# Allegro board SG2042_EVB_V1_1.brd (continued)
## Routing (per net, layer and track width the routed paths; a pad name or vN(x,y) marks a point on that pad's centre or on a via; arc(x,y) is an arc through that point) (continued)
DDR2_DM5_N: length 52.2
  TOP w0.14: U1.BT3 v1(111.97,78.15)
  BOTTOM w0.109: 111.04,77.15 111.06,77.17 111.06,77.25 111.58,77.77 111.58,78.42 111.69,78.53 111.86,78.53 111.97,78.42 v1(111.97,78.15)
  BOTTOM w0.14: 111.04,77.15 110.62,76.73 98.11,76.73 92.08,70.71 80.97,70.71 arc(80.57,70.78) 80.24,71.01 79.89,71.35 arc(79.67,71.5) 79.4,71.56 79.07,71.56 arc(78.8,71.5) 78.57,71.35 78.23,71.01 arc(77.89,70.78) 77.5,70.71 77.17,70.71 arc(76.77,70.78) 76.44,71.01 76.09,71.35 arc(75.87,71.5) 75.6,71.56 74.37,71.56 arc(74.1,71.5) 73.87,71.35 73.53,71.01 arc(73.2,70.79) 72.81,70.71 71.56,70.71 arc(71.17,70.79) 70.83,71.01 70.5,71.35 arc(70.27,71.5) 70,71.56 69.67,71.56 arc(69.4,71.5) 69.17,71.35 68.84,71.01 arc(68.5,70.79) 68.11,70.71 67.17,70.71 arc(67.11,70.71) 67.05,70.72 J3.111
DDR2_DM5_P: length 52.1
  TOP w0.14: U1.BR3 v1(111.97,79.15)
  BOTTOM w0.109: v1(111.97,79.15) 111.97,78.85 111.86,78.74 111.6,78.74 111.37,78.51 111.37,77.86 110.91,77.4 110.82,77.4 110.8,77.38
  BOTTOM w0.14: 110.8,77.38 110.49,77.06 97.97,77.06 91.94,71.04 80.97,71.04 arc(80.7,71.09) 80.47,71.24 80.13,71.59 arc(79.79,71.81) 79.4,71.89 79.07,71.89 arc(78.67,71.81) 78.34,71.59 77.99,71.24 arc(77.77,71.09) 77.5,71.04 77.17,71.04 arc(76.9,71.09) 76.67,71.24 76.33,71.59 arc(75.99,71.81) 75.6,71.89 74.37,71.89 arc(73.97,71.81) 73.64,71.59 73.3,71.25 arc(73.07,71.1) 72.81,71.04 71.56,71.04 arc(71.29,71.1) 71.07,71.25 70.73,71.59 arc(70.4,71.81) 70,71.89 69.67,71.89 arc(69.27,71.81) 68.94,71.59 68.6,71.25 arc(68.38,71.1) 68.11,71.04 67.32,71.04 arc(67.24,71.06) 67.19,71.12 67.15,71.19 arc(67.14,71.32) 67.22,71.42 J3.110
DDR2_DM6_N: length 64.1
  TOP w0.14: U1.BJ8 v1(116.97,85.15)
  ART03 w0.109: v1(116.97,85.15) 116.97,85.1 116.42,84.54 110.8,84.54 110.59,84.32 110.59,81.89 110.24,81.54 109.71,81.54 108.86,80.69 108.53,80.69 108.5,80.67 108.47,80.67
  ART03 w0.145: 108.47,80.67 102.84,80.67 84.41,62.24 80.96,62.24 arc(80.58,62.31) 80.26,62.53 79.92,62.88 arc(79.68,63.03) 79.4,63.09 79.06,63.09 arc(78.79,63.03) 78.55,62.88 78.2,62.53 arc(77.88,62.31) 77.5,62.24 77.05,62.24 arc(76.78,62.29) 76.54,62.45 76.11,62.88 arc(75.88,63.03) 75.6,63.09 74.36,63.09 arc(74.09,63.03) 73.85,62.88 73.5,62.53 arc(73.18,62.31) 72.8,62.24 71.56,62.24 arc(71.29,62.18) 71.05,62.03 70.7,61.68 arc(70.38,61.46) 70.01,61.39 69.66,61.39 arc(69.29,61.46) 68.97,61.68 68.62,62.03 arc(68.38,62.18) 68.11,62.24 67.35,62.24 arc(67.25,62.21) 67.18,62.13 67.18,62.13 arc(67.17,61.93) 67.29,61.78 J3.122
DDR2_DM6_P: length 64.1
  TOP w0.14: U1.BJ7 v1(115.97,85.15)
  ART03 w0.109: v1(115.97,85.15) 116.33,85.15 116.44,85.04 116.44,84.86 116.33,84.75 110.72,84.75 110.38,84.41 110.38,81.97 110.16,81.75 109.62,81.75 108.78,80.9 108.53,80.9 108.5,80.93 108.47,80.93
  ART03 w0.145: 108.47,80.93 102.73,80.93 84.3,62.5 80.96,62.5 arc(80.69,62.56) 80.45,62.72 80.1,63.06 arc(79.78,63.28) 79.4,63.35 79.06,63.35 arc(78.68,63.28) 78.36,63.06 78.02,62.72 arc(77.78,62.56) 77.5,62.5 77.16,62.5 arc(76.89,62.56) 76.65,62.72 76.23,63.14 arc(75.99,63.3) 75.71,63.35 74.36,63.35 arc(73.98,63.28) 73.66,63.06 73.32,62.72 arc(73.08,62.56) 72.8,62.5 71.56,62.5 arc(71.19,62.43) 70.87,62.21 70.52,61.87 arc(70.28,61.71) 70.01,61.65 69.66,61.65 arc(69.39,61.71) 69.15,61.87 68.8,62.21 arc(68.48,62.43) 68.11,62.5 67.18,62.5 arc(67.13,62.5) 67.08,62.5 J3.121
DDR2_DM7_N: length 65.3
  TOP w0.14: U1.BT8 v1(116.97,78.15)
  ART03 w0.109: v1(116.97,78.15) 116.97,78.35 116.86,78.46 116.69,78.46 116.58,78.35 116.58,77.81 116.13,77.37 116.13,77.37 115.47,76.7 115.47,76.67
  ART03 w0.145: J3.133 67.08,52.05 arc(67.13,52.04) 67.18,52.04 68.1,52.04 arc(68.48,52.11) 68.8,52.33 69.15,52.68 arc(69.39,52.83) 69.66,52.89 70.01,52.89 arc(70.28,52.83) 70.52,52.68 70.87,52.33 arc(71.19,52.11) 71.57,52.04 72.8,52.04 arc(73.18,52.11) 73.5,52.33 73.85,52.68 arc(74.09,52.83) 74.36,52.89 75.6,52.89 arc(75.88,52.83) 76.11,52.68 76.46,52.33 arc(76.78,52.11) 77.16,52.04 77.5,52.04 arc(77.88,52.11) 78.2,52.33 78.55,52.68 arc(78.79,52.83) 79.06,52.89 79.4,52.89 arc(79.68,52.83) 79.92,52.68 80.26,52.33 arc(80.58,52.11) 80.96,52.04 91.82,52.04 110.02,70.24 110.02,71.22 115.47,76.67
DDR2_DM7_P: length 65.4
  TOP w0.14: U1.BR8 v1(116.97,79.15)
  ART03 w0.109: 115.28,76.85 115.32,76.85 115.88,77.42 116.37,77.9 116.37,78.44 116.6,78.67 116.86,78.67 116.97,78.78 v1(116.97,79.15)
  ART03 w0.145: 115.28,76.85 109.76,71.33 109.76,70.35 91.71,52.3 80.96,52.3 arc(80.69,52.36) 80.45,52.52 80.1,52.86 arc(79.78,53.08) 79.4,53.15 79.06,53.15 arc(78.68,53.08) 78.36,52.86 78.01,52.52 arc(77.78,52.36) 77.5,52.3 77.16,52.3 arc(76.89,52.36) 76.65,52.52 76.3,52.86 arc(75.98,53.08) 75.6,53.15 74.36,53.15 arc(73.99,53.08) 73.66,52.86 73.32,52.52 arc(73.08,52.36) 72.8,52.3 71.56,52.3 arc(71.29,52.36) 71.05,52.52 70.7,52.86 arc(70.38,53.08) 70.01,53.15 69.66,53.15 arc(69.29,53.08) 68.97,52.86 68.62,52.52 arc(68.38,52.36) 68.1,52.3 67.37,52.3 arc(67.26,52.33) 67.18,52.42 arc(67.16,52.61) 67.29,52.76 J3.132
DDR2_DQ0: length 98.1
  TOP w0.16: U1.AH4 v1(112.97,106.15)
  BOTTOM w0.089: 88.72,165.53 88.77,165.57 92.23,165.57 110.83,146.97 110.83,108.56 110.6,108.33 110.6,106.9 110.85,106.65 112.47,106.65 v1(112.97,106.15)
  BOTTOM w0.16: 88.72,165.53 85.51,165.53 84.58,166.46 81.49,166.46 81.27,166.23 80.97,166.23 arc(80.72,166.28) 80.51,166.42 80.08,166.85 arc(79.82,167.02) 79.52,167.08 78.97,167.08 arc(78.67,167.02) 78.41,166.85 78.03,166.47 arc(77.77,166.29) 77.46,166.23 77.18,166.23 arc(76.92,166.28) 76.7,166.43 76.28,166.85 arc(76.03,167.02) 75.73,167.08 73.84,167.08 arc(73.53,167.02) 73.27,166.84 72.98,166.55 arc(72.78,166.42) 72.54,166.37 72.45,166.37 arc(72.27,166.33) 72.12,166.23 72.1,166.21 arc(71.95,166.11) 71.77,166.07 71.54,166.07 arc(71.24,166.13) 70.98,166.31 70.59,166.69 arc(70.33,166.86) 70.03,166.92 69.69,166.92 arc(69.38,166.86) 69.12,166.69 68.74,166.31 arc(68.48,166.13) 68.18,166.07 J3.5
DDR2_DQ1: length 92
  TOP w0.16: U1.AH2 v1(110.97,106.15)
  BOTTOM w0.114: v1(110.97,106.15) 110.36,106.76 110.36,108.08 110.36,108.08 110.36,108.62 110.46,108.72 110.46,146.82 92.08,165.2 89.12,165.2 88.72,164.81
  BOTTOM w0.16: J3.150 71.59,165.22 arc(71.9,165.43) 72.27,165.51 72.36,165.51 arc(72.67,165.57) 72.93,165.74 73.71,166.53 arc(73.97,166.7) 74.28,166.76 75.59,166.76 arc(75.85,166.71) 76.07,166.56 76.48,166.15 arc(76.74,165.97) 77.05,165.91 77.59,165.91 arc(77.9,165.97) 78.16,166.15 78.54,166.53 arc(78.8,166.7) 79.11,166.76 79.39,166.76 arc(79.65,166.71) 79.87,166.56 80.28,166.15 arc(80.54,165.97) 80.85,165.91 81.27,165.91 81.47,165.71 82.84,165.71 83,165.55 83,164.97 83.16,164.81 83.56,164.81 83.72,164.97 83.72,165.57 83.88,165.74 84.28,165.74 84.44,165.57 84.44,164.97 84.6,164.81 88.72,164.81
DDR2_DQ2: length 92.1
  TOP w0.16: U1.AL2 v1(110.97,103.15)
  BOTTOM w0.089: 100.75,149.9 100.99,149.9 106.75,144.14 106.75,105.84 108,104.59 108.31,104.59 109.38,103.52 110.6,103.52 v1(110.97,103.15)
  BOTTOM w0.16: 100.75,149.9 93.64,157.01 89.02,157.01 88.09,157.94 88.09,158.17 88.33,158.41 88.33,158.64 88.04,158.92 87.82,158.92 87.58,158.68 87.35,158.68 86.4,159.63 81.47,159.63 81.27,159.43 80.97,159.43 arc(80.72,159.48) 80.51,159.62 80.08,160.05 arc(79.82,160.22) 79.52,160.28 78.97,160.28 arc(78.67,160.22) 78.41,160.05 78.03,159.67 arc(77.77,159.49) 77.46,159.43 77.18,159.43 arc(76.92,159.48) 76.7,159.63 76.28,160.05 arc(76.02,160.22) 75.72,160.28 73.87,160.28 arc(73.56,160.22) 73.3,160.05 72.92,159.67 arc(72.66,159.49) 72.35,159.43 71.38,159.43 arc(71.07,159.49) 70.82,159.67 70.59,159.89 arc(70.33,160.06) 70.03,160.12 J3.12
DDR2_DQ3: length 90.8
  TOP w0.16: U1.AL1 v1(109.97,103.15)
  BOTTOM w0.114: 100.37,149.27 101.1,149.27 106.38,143.99 106.38,105.69 107.85,104.22 108.31,104.22 109.39,103.15 v1(109.97,103.15)
  BOTTOM w0.16: J3.157 70.08,159.18 arc(70.15,159.13) 70.24,159.11 73.3,159.11 arc(73.61,159.17) 73.87,159.35 74.25,159.73 arc(74.51,159.9) 74.81,159.96 75.59,159.96 arc(75.85,159.91) 76.07,159.76 76.48,159.35 arc(76.74,159.17) 77.05,159.11 77.59,159.11 arc(77.9,159.17) 78.16,159.35 78.54,159.73 arc(78.8,159.9) 79.11,159.96 79.39,159.96 arc(79.65,159.91) 79.87,159.76 80.28,159.35 arc(80.54,159.17) 80.85,159.11 81.27,159.11 81.47,158.91 86.1,158.91 88.72,156.29 93.34,156.29 96.41,153.22 96.41,152.99 96.12,152.7 96.12,152.47 96.4,152.19 96.63,152.19 96.92,152.49 97.15,152.49 97.43,152.2 97.43,151.98 97.13,151.68 97.13,151.46 97.42,151.17 97.64,151.17 97.94,151.47 98.16,151.47 98.45,151.18 98.45,150.96 98.15,150.66 98.15,150.44 98.44,150.15 98.66,150.15 98.96,150.45 99.18,150.45 100.37,149.27
DDR2_DQ4: length 99.4
  TOP w0.16: U1.AG3 v1(111.97,107.15)
  BOTTOM w0.114: v1(111.97,107.15) 111.59,107.53 111.59,108.66 111.55,108.69 111.55,147.27 92.53,166.29 89.44,166.29 88.79,166.95
  BOTTOM w0.16: 88.79,166.95 88.79,167.9 87.95,168.74 85.42,168.74 85.26,168.9 85.26,169.16 85.1,169.32 84.7,169.32 84.54,169.16 84.54,168.9 84.38,168.74 83.98,168.74 83.82,168.9 83.82,169.16 83.66,169.32 83.26,169.32 83.1,169.16 83.1,168.9 82.94,168.74 82.32,168.74 81.51,167.93 80.97,167.93 arc(80.72,167.98) 80.51,168.12 80.08,168.55 arc(79.82,168.72) 79.52,168.78 78.97,168.78 arc(78.67,168.72) 78.41,168.55 78.03,168.17 arc(77.77,167.99) 77.46,167.93 77.18,167.93 arc(76.92,167.98) 76.7,168.13 76.28,168.55 arc(76.03,168.72) 75.73,168.78 75.14,168.78 arc(74.83,168.84) 74.57,169.01 74.35,169.24 arc(74.09,169.41) 73.78,169.47 71.63,169.47 arc(71.33,169.41) 71.07,169.24 70.68,168.86 arc(70.43,168.68) 70.12,168.62 69.6,168.62 arc(69.29,168.56) 69.03,168.39 68.65,168.01 arc(68.39,167.83) 68.09,167.77 J3.3
DDR2_DQ5: length 97.7
  TOP w0.16: U1.AG2 v1(110.97,107.15)
  BOTTOM w0.089: 88.72,166.25 89.04,165.93 92.38,165.93 111.19,147.12 111.19,108.54 111.35,108.37 111.35,107.52 v1(110.97,107.15)
  BOTTOM w0.16: 88.72,166.25 87.65,166.25 87.49,166.41 87.49,167.71 87.33,167.87 86.93,167.87 86.77,167.71 86.77,166.41 86.61,166.25 86.21,166.25 86.05,166.41 86.05,167.86 85.89,168.02 85.49,168.02 85.33,167.86 85.33,167.34 85.17,167.18 84.77,167.18 84.61,167.34 84.61,167.86 84.45,168.02 84.05,168.02 83.89,167.86 83.89,167.34 83.73,167.18 83.33,167.18 83.17,167.34 83.17,167.86 83.01,168.02 82.61,168.02 82.45,167.86 82.45,167.34 82.29,167.18 81.7,167.18 81.27,167.61 80.85,167.61 arc(80.54,167.67) 80.28,167.85 79.87,168.26 arc(79.65,168.41) 79.39,168.46 79.11,168.46 arc(78.8,168.4) 78.54,168.23 78.16,167.85 arc(77.9,167.67) 77.59,167.61 77.05,167.61 arc(76.74,167.67) 76.48,167.85 76.07,168.26 arc(75.85,168.41) 75.59,168.46 75.13,168.46 arc(74.83,168.4) 74.57,168.23 74.35,168.01 arc(74.09,167.83) 73.78,167.77 73.26,167.77 arc(72.95,167.71) 72.69,167.54 72.53,167.37 arc(72.35,167.25) 72.13,167.21 72.06,167.21 arc(71.89,167.17) 71.74,167.08 J3.148
DDR2_DQ6: length 96.4
  TOP w0.16: U1.AK1 v1(109.97,104.15)
  BOTTOM w0.114: 101.77,150.92 101.77,150.15 107.47,144.44 107.47,106.14 109.47,104.15 v1(109.97,104.15)
  BOTTOM w0.16: J3.10 70.03,161.82 arc(70.33,161.76) 70.59,161.59 70.81,161.37 arc(71.07,161.19) 71.38,161.13 72.35,161.13 arc(72.66,161.19) 72.92,161.37 73.3,161.75 arc(73.56,161.92) 73.87,161.98 75.72,161.98 arc(76.02,161.92) 76.28,161.75 76.7,161.33 arc(76.92,161.18) 77.18,161.13 77.46,161.13 arc(77.77,161.19) 78.03,161.37 78.41,161.75 arc(78.67,161.92) 78.97,161.98 79.52,161.98 arc(79.82,161.92) 80.08,161.75 80.5,161.33 arc(80.72,161.18) 80.98,161.13 81.27,161.13 81.77,161.64 83.65,161.64 83.81,161.48 83.81,161.25 83.97,161.09 84.37,161.09 84.53,161.25 84.53,161.48 84.69,161.64 85.09,161.64 85.25,161.48 85.25,161.25 85.41,161.09 85.81,161.09 85.97,161.25 85.97,161.48 86.13,161.64 86.53,161.64 86.69,161.48 86.69,161.25 86.85,161.09 87.25,161.09 87.41,161.25 87.41,161.48 87.57,161.64 87.97,161.64 88.13,161.48 88.13,160.84 88.29,160.68 88.69,160.68 88.85,160.84 88.85,161.48 89.01,161.64 89.41,161.64 89.57,161.48 89.57,160.84 89.73,160.68 90.13,160.68 90.29,160.84 90.29,161.48 90.45,161.64 91.05,161.64 101.77,150.92
DDR2_DQ7: length 99.4
  TOP w0.16: U1.AL4 v1(112.97,103.15)
  BOTTOM w0.089: 101.26,150.41 101.26,150.13 107.1,144.29 107.1,105.99 108.15,104.95 108.3,104.95 109.47,103.77 112.35,103.77 v1(112.97,103.15)
  BOTTOM w0.16: J3.155 70.08,160.88 arc(70.15,160.83) 70.24,160.81 73.3,160.81 arc(73.61,160.87) 73.87,161.05 74.25,161.43 arc(74.51,161.6) 74.81,161.66 75.59,161.66 arc(75.85,161.61) 76.07,161.46 76.48,161.05 arc(76.74,160.87) 77.05,160.81 77.59,160.81 arc(77.9,160.87) 78.16,161.05 78.54,161.43 arc(78.8,161.6) 79.11,161.66 79.39,161.66 arc(79.65,161.61) 79.87,161.46 80.28,161.05 arc(80.54,160.87) 80.85,160.81 81.27,160.81 81.73,160.35 87.51,160.35 87.9,159.96 89.34,159.96 89.5,159.8 89.5,157.92 89.69,157.73 90.06,157.73 90.22,157.89 90.22,159.8 90.38,159.96 90.78,159.96 90.94,159.8 90.94,157.92 91.13,157.73 91.5,157.73 91.66,157.89 91.66,159.2 91.82,159.36 92.22,159.36 92.38,159.2 92.38,157.92 92.57,157.73 93.93,157.73 101.26,150.41
DDR2_DQ8: length 87.6
  TOP w0.16: U1.AN4 v1(112.97,101.15)
  BOTTOM w0.089: v1(112.97,101.15) 112.35,101.77 109.56,101.77 108.4,102.93 107.15,102.93 104.97,105.1 104.97,133.06 86.4,151.63 86.4,153.22 86.22,153.41 86.22,153.43
  BOTTOM w0.16: J3.16 70.03,156.72 arc(70.33,156.66) 70.59,156.49 70.81,156.27 arc(71.07,156.09) 71.38,156.03 72.35,156.03 arc(72.66,156.09) 72.92,156.27 73.3,156.65 arc(73.56,156.82) 73.87,156.88 75.72,156.88 arc(76.02,156.82) 76.28,156.65 76.7,156.23 arc(76.92,156.08) 77.18,156.03 77.46,156.03 arc(77.77,156.09) 78.03,156.27 78.41,156.65 arc(78.67,156.82) 78.97,156.88 79.55,156.88 arc(79.83,156.83) 80.06,156.67 80.29,156.44 80.29,156.44 80.51,156.22 arc(80.72,156.08) 80.97,156.03 81.27,156.03 81.47,156.23 83.67,156.23 86.22,153.69 86.22,153.43
DDR2_DQ9: length 84.8
  TOP w0.16: U1.AN2 v1(110.97,101.15)
  BOTTOM w0.114: 85.46,153.43 86.03,152.86 86.03,151.48 104.6,132.91 104.6,104.95 107,102.56 108.4,102.56 109.43,101.53 110.59,101.53 v1(110.97,101.15)
  BOTTOM w0.16: 85.46,153.43 85.41,153.47 85.08,153.47 84.75,153.15 84.52,153.15 84.14,153.53 84.14,153.75 84.37,153.98 84.37,154.21 84.09,154.49 83.86,154.49 83.63,154.26 83.41,154.26 83.12,154.55 83.12,154.77 83.35,155 83.35,155.23 83.07,155.51 82.84,155.51 82.62,155.28 82.39,155.28 82.16,155.51 81.47,155.51 81.27,155.71 80.85,155.71 arc(80.54,155.77) 80.28,155.95 79.87,156.36 arc(79.65,156.51) 79.39,156.56 79.11,156.56 arc(78.8,156.5) 78.54,156.33 78.16,155.95 arc(77.9,155.77) 77.59,155.71 77.05,155.71 arc(76.74,155.77) 76.48,155.95 76.06,156.37 arc(75.85,156.51) 75.59,156.56 74.81,156.56 arc(74.51,156.5) 74.25,156.33 73.87,155.95 arc(73.61,155.77) 73.3,155.71 70.24,155.71 arc(70.15,155.73) 70.08,155.78 J3.161
DDR2_DQ10: length 83.3
  TOP w0.16: U1.AT2 v1(110.97,98.15)
  BOTTOM w0.089: v1(110.97,98.15) 110.6,98.52 109.33,98.52 108.95,98.89 105.48,98.89 101.15,103.22 101.15,130.27 87.13,144.28 86.72,144.28
  BOTTOM w0.16: 79.04,146.52 79.43,146.52 arc(79.73,146.46) 79.99,146.29 80.37,145.91 arc(80.63,145.73) 80.94,145.67 81.81,145.67 82.76,144.72 86.28,144.72 86.72,144.28 ; 79.04,146.52 79.04,146.52 ; 79.04,146.52 arc(79.04,146.52) 79.04,146.52 ; J3.23 68.13,150.77 arc(68.43,150.71) 68.69,150.54 69.08,150.16 arc(69.34,149.98) 69.64,149.92 70.03,149.92 arc(70.33,149.98) 70.59,150.16 70.82,150.38 arc(71.07,150.55) 71.38,150.61 72.05,150.61 arc(72.36,150.55) 72.62,150.38 74.54,148.46 arc(74.8,148.28) 75.1,148.22 75.63,148.22 arc(75.93,148.16) 76.19,147.99 76.57,147.61 arc(76.83,147.43) 77.14,147.37 77.53,147.37 arc(77.83,147.31) 78.09,147.14 78.47,146.76 arc(78.73,146.58) 79.04,146.52
DDR2_DQ11: length 82.3
  TOP w0.16: U1.AT1 v1(109.97,98.15)
  BOTTOM w0.114: v1(109.97,98.15) 109.85,98.27 109.19,98.27 108.94,98.53 105.32,98.53 100.78,103.07 100.78,130.11 87.12,143.77 86.21,143.77
  BOTTOM w0.16: 86.21,143.77 86.01,143.97 85.61,143.97 85.45,143.81 85.45,142.91 85.29,142.75 84.89,142.75 84.73,142.91 84.73,143.81 84.57,143.97 84.17,143.97 84.01,143.81 84.01,142.91 83.85,142.75 83.45,142.75 83.29,142.91 83.29,143.81 83.13,143.97 82.73,143.97 82.57,143.81 82.57,142.91 82.41,142.75 82.01,142.75 81.85,142.91 81.85,143.81 81.69,143.97 80.94,143.97 arc(80.63,144.03) 80.37,144.21 80.01,144.57 arc(79.75,144.74) 79.44,144.81 79.06,144.81 arc(78.75,144.87) 78.49,145.04 78.09,145.44 arc(77.83,145.61) 77.53,145.67 77.14,145.67 arc(76.83,145.73) 76.57,145.91 76.19,146.29 arc(75.93,146.46) 75.63,146.52 75.47,146.52 arc(75.16,146.58) 74.9,146.76 71.84,149.81 arc(71.73,149.89) 71.59,149.92 J3.168
DDR2_DQ12: length 89
  TOP w0.16: U1.AM3 v1(111.97,102.15)
  BOTTOM w0.089: 87.66,153.43 87.66,153.42
  BOTTOM w0.114: v1(111.97,102.15) 111.36,102.76 109.29,102.76 108.4,103.65 107.45,103.65 105.69,105.4 105.69,133.36 87.12,151.93 87.12,152.88 87.66,153.42
  BOTTOM w0.16: 87.66,153.43 87.66,155.98 85.71,157.93 81.47,157.93 81.27,157.73 80.97,157.73 arc(80.72,157.78) 80.51,157.92 80.08,158.35 arc(79.82,158.52) 79.52,158.58 78.97,158.58 arc(78.67,158.52) 78.41,158.35 78.03,157.97 arc(77.77,157.79) 77.46,157.73 77.18,157.73 arc(76.92,157.78) 76.7,157.93 76.28,158.35 arc(76.02,158.52) 75.72,158.58 73.87,158.58 arc(73.56,158.52) 73.3,158.35 72.92,157.97 arc(72.66,157.79) 72.35,157.73 71.38,157.73 arc(71.07,157.79) 70.81,157.97 70.59,158.19 arc(70.33,158.36) 70.03,158.42 J3.14
DDR2_DQ13: length 87.8
  TOP w0.16: U1.AM2 v1(110.97,102.15)
  BOTTOM w0.089: v1(110.97,102.15) 110.6,102.52 109.16,102.52 108.4,103.28 107.3,103.28 105.33,105.25 105.33,133.21 86.75,151.78 86.75,153.25 86.94,153.43
  BOTTOM w0.16: J3.159 70.08,157.48 arc(70.15,157.43) 70.24,157.41 73.3,157.41 arc(73.61,157.47) 73.87,157.65 74.25,158.03 arc(74.51,158.2) 74.81,158.26 75.59,158.26 arc(75.85,158.21) 76.07,158.06 76.48,157.65 arc(76.74,157.47) 77.05,157.41 77.59,157.41 arc(77.9,157.47) 78.16,157.65 78.54,158.03 arc(78.8,158.2) 79.11,158.26 79.39,158.26 arc(79.65,158.21) 79.87,158.06 80.28,157.65 arc(80.54,157.47) 80.85,157.41 81.28,157.41 81.48,157.21 83.71,157.21 84.41,156.52 84.63,156.52 85.25,157.14 85.48,157.14 85.76,156.86 85.76,156.63 85.14,156.01 85.14,155.78 85.42,155.5 85.65,155.5 86.27,156.12 86.5,156.12 86.78,155.84 86.78,155.61 86.16,154.99 86.16,154.76 86.94,153.99 86.94,153.43
DDR2_DQ14: length 87.9
  TOP w0.16: U1.AT4 v1(112.97,98.15)
  BOTTOM w0.089: v1(112.97,98.15) 112.37,98.75 109.45,98.75 108.95,99.25 105.62,99.25 101.5,103.37 101.5,130.41 87.23,144.69 87.23,144.79
  BOTTOM w0.16: J3.21 67.93,152.47 arc(68.23,152.41) 68.49,152.24 68.88,151.86 arc(69.14,151.68) 69.44,151.62 70.03,151.62 arc(70.33,151.56) 70.59,151.39 70.82,151.17 arc(71.07,150.99) 71.38,150.93 73.57,150.93 arc(73.88,150.87) 74.14,150.7 74.68,150.16 arc(74.94,149.98) 75.25,149.92 75.63,149.92 arc(75.93,149.86) 76.19,149.69 76.57,149.31 arc(76.83,149.13) 77.14,149.07 77.53,149.07 arc(77.83,149.13) 78.09,149.31 78.47,149.69 arc(78.73,149.86) 79.04,149.92 79.43,149.92 arc(79.73,149.86) 79.99,149.69 80.37,149.31 arc(80.63,149.13) 80.94,149.07 81.66,149.07 82.36,148.37 82.36,147.31 82.87,146.8 82.87,146.57 82.59,146.29 82.59,146.06 82.87,145.78 83.1,145.78 83.38,146.06 83.6,146.06 84.22,145.44 86.58,145.44 87.23,144.79
DDR2_DQ15: length 85.5
  TOP w0.16: U1.AR1 v1(109.97,99.15)
  BOTTOM w0.114: v1(109.97,99.15) 109.44,99.15 108.97,99.62 105.78,99.62 101.87,103.52 101.87,130.57 87.74,144.7 87.74,145.3
  BOTTOM w0.16: 87.74,145.3 86.46,146.58 86.23,146.58 85.81,146.16 85.59,146.16 85.3,146.45 85.3,146.67 85.72,147.09 85.72,147.32 85.44,147.6 85.21,147.6 84.26,146.65 84.03,146.65 83.75,146.93 83.75,147.16 84.7,148.11 84.7,148.34 84.42,148.62 84.19,148.62 83.6,148.02 83.37,148.02 83.09,148.31 83.09,148.53 83.69,149.13 83.69,149.36 83.4,149.64 83.18,149.64 82.76,149.22 82.53,149.22 82.25,149.5 82.25,149.73 82.67,150.15 82.67,150.37 82.27,150.77 80.94,150.77 arc(80.63,150.83) 80.37,151.01 79.99,151.39 arc(79.73,151.56) 79.43,151.62 79.04,151.62 arc(78.73,151.56) 78.47,151.39 78.09,151.01 arc(77.83,150.83) 77.53,150.77 77.14,150.77 arc(76.83,150.83) 76.57,151.01 76.19,151.39 arc(75.93,151.56) 75.63,151.62 73.34,151.62 arc(73.17,151.59) 73.02,151.49 73,151.47 arc(72.85,151.37) 72.68,151.33 72.28,151.33 arc(71.9,151.41) J3.166
DDR2_DQ16: length 78.5
  TOP w0.16: U1.AH6 v1(114.97,107.15)
  ART03 w0.089: 109.2,109.4 109.86,108.74 114.23,108.74 114.57,108.41 114.57,107.55 v1(114.97,107.15)
  ART03 w0.168: 109.2,109.4 107.08,111.51 107.08,128.03 87.13,147.98 82.78,147.98 82.45,147.65 81.39,147.65 81.27,147.53 80.97,147.53 arc(80.72,147.58) 80.5,147.72 80.09,148.13 arc(79.82,148.31) 79.5,148.38 78.67,148.38 arc(78.35,148.31) 78.07,148.13 77.66,147.72 arc(77.45,147.58) 77.2,147.53 77.17,147.53 arc(76.92,147.58) 76.7,147.72 76.29,148.13 arc(76.02,148.31) 75.7,148.38 73.99,148.38 arc(73.67,148.31) 73.39,148.13 72.78,147.52 arc(72.5,147.33) 72.18,147.27 71.46,147.27 arc(71.13,147.21) 70.86,147.02 70.61,146.77 arc(70.33,146.59) 70.01,146.52 69.66,146.52 arc(69.34,146.59) 69.06,146.77 68.71,147.13 arc(68.43,147.31) 68.11,147.37 J3.27
DDR2_DQ17: length 73.6
  TOP w0.16: U1.AG5 v1(113.97,107.15)
  ART03 w0.089: 108.97,108.79 109,108.77 109.56,108.77 109.78,108.55 114.16,108.55 114.38,108.33 114.38,107.55 v1(113.97,107.15)
  ART03 w0.168: J3.172 72.29,146.52 arc(72.54,146.57) 72.75,146.71 73.85,147.82 arc(74.13,148) 74.45,148.06 75.59,148.06 arc(75.85,148.01) 76.07,147.87 76.47,147.46 arc(76.75,147.28) 77.07,147.22 77.9,147.22 arc(78.22,147.28) 78.49,147.46 78.9,147.87 arc(79.12,148.02) 79.37,148.06 79.4,148.06 arc(79.65,148.02) 79.86,147.87 80.27,147.46 arc(80.55,147.28) 80.87,147.22 81.31,147.22 81.74,146.79 83.04,146.79 83.21,146.95 83.21,147.2 83.37,147.37 83.79,147.37 83.96,147.2 83.96,146.95 84.13,146.79 84.55,146.79 84.72,146.95 84.72,147.2 84.88,147.37 85.3,147.37 85.47,147.2 85.47,146.95 85.64,146.79 87.49,146.79 106.5,127.78 106.5,111.27 108.97,108.79
DDR2_DQ18: length 74.6
  TOP w0.16: U1.AL6 v1(114.97,103.15)
  ART03 w0.089: 107.97,104.25 108.47,103.74 114.38,103.74 v1(114.97,103.15)
  ART03 w0.168: J3.34 70.01,141.42 arc(70.33,141.36) 70.61,141.18 70.81,140.97 arc(71.08,140.79) 71.4,140.73 72.32,140.73 arc(72.64,140.79) 72.92,140.97 73.27,141.33 arc(73.55,141.51) 73.87,141.58 75.7,141.58 arc(76.02,141.51) 76.29,141.33 76.7,140.92 arc(76.92,140.78) 77.17,140.73 77.2,140.73 arc(77.45,140.78) 77.66,140.92 78.07,141.33 arc(78.35,141.51) 78.67,141.58 79.5,141.58 arc(79.82,141.51) 80.09,141.33 80.5,140.92 arc(80.72,140.78) 80.97,140.73 81.27,140.73 81.41,140.86 86.18,140.86 95.14,131.9 96.6,131.9 102.42,126.09 102.42,109.53 107.7,104.25 107.97,104.25
DDR2_DQ19: length 73.2
  TOP w0.16: U1.AL5 v1(113.97,103.15)
  ART03 w0.089: v1(113.97,103.15) 113.57,103.55 108.39,103.55 108.28,103.66 107.97,103.66
  ART03 w0.168: 107.97,103.66 107.46,103.66 101.83,109.29 101.83,125.85 98.62,129.06 98.38,129.06 98.09,128.77 97.85,128.77 97.56,129.06 97.56,129.3 97.85,129.59 97.85,129.83 97.55,130.13 97.31,130.13 97.02,129.83 96.78,129.83 96.49,130.13 96.49,130.37 96.78,130.66 96.78,130.9 96.36,131.32 94.9,131.32 85.93,140.28 81.41,140.28 81.27,140.42 80.87,140.42 arc(80.55,140.48) 80.27,140.66 79.86,141.07 arc(79.65,141.22) 79.4,141.26 78.86,141.26 arc(78.61,141.22) 78.4,141.07 77.98,140.66 arc(77.71,140.48) 77.39,140.42 77.07,140.42 arc(76.75,140.48) 76.47,140.66 76.07,141.07 arc(75.85,141.21) 75.59,141.26 74.89,141.26 arc(74.57,141.2) 74.29,141.02 73.93,140.66 arc(73.66,140.48) 73.34,140.42 70.24,140.42 arc(70.15,140.43) 70.07,140.48 J3.179
DDR2_DQ20: length 82.3
  TOP w0.16: U1.AG7 v1(116.97,107.15)
  ART03 w0.089: 109.32,110.94 109.56,110.7 109.56,110.6 109.92,110.24 110.38,110.24 110.88,109.74 116.22,109.74 116.57,109.39 116.57,107.55 v1(116.97,107.15)
  ART03 w0.168: J3.25 68.11,149.07 arc(68.43,149.01) 68.71,148.83 69.06,148.47 arc(69.34,148.29) 69.66,148.22 70.01,148.22 arc(70.33,148.29) 70.61,148.47 70.96,148.83 arc(71.24,149.01) 71.56,149.07 71.64,149.07 arc(72.23,149.19) 72.72,149.52 73.04,149.83 arc(73.31,150.01) 73.63,150.08 75.7,150.08 arc(76.02,150.01) 76.29,149.83 76.7,149.42 arc(76.92,149.28) 77.17,149.23 77.2,149.23 arc(77.45,149.28) 77.66,149.42 78.07,149.83 arc(78.35,150.01) 78.67,150.08 79.5,150.08 arc(79.82,150.01) 80.09,149.83 80.5,149.42 arc(80.72,149.28) 80.97,149.23 81.27,149.23 81.41,149.36 88.62,149.36 93.78,144.21 93.78,143.06 108.26,128.58 108.26,112 109.32,110.94
DDR2_DQ21: length 82.6
  TOP w0.16: U1.AH8 v1(116.97,106.15)
  ART03 w0.089: v1(116.97,106.15) 116.38,106.74 116.38,109.31 116.14,109.55 110.8,109.55 110.3,110.05 109.84,110.05 109.46,110.43 109,110.43 108.97,110.45
  ART03 w0.168: J3.170 72.24,148.22 arc(72.48,148.27) 72.69,148.41 73.8,149.52 arc(74.07,149.7) 74.4,149.77 75.59,149.77 arc(75.85,149.71) 76.07,149.57 76.47,149.16 arc(76.75,148.98) 77.07,148.92 77.9,148.92 arc(78.22,148.98) 78.49,149.16 78.9,149.57 arc(79.12,149.72) 79.37,149.77 79.4,149.77 arc(79.65,149.72) 79.86,149.57 80.27,149.16 arc(80.55,148.98) 80.87,148.92 81.27,148.92 81.41,148.78 87.23,148.78 87.79,148.21 88.03,148.21 88.37,148.55 88.61,148.55 88.9,148.26 88.9,148.02 88.56,147.68 88.56,147.44 88.86,147.15 89.1,147.15 89.44,147.49 89.67,147.49 89.97,147.19 89.97,146.95 89.63,146.61 89.63,146.38 89.93,146.08 90.17,146.08 90.5,146.42 90.74,146.42 91.04,146.12 91.04,145.88 90.7,145.55 90.7,145.31 91,145.01 91.23,145.01 91.57,145.35 91.81,145.35 92.11,145.05 92.11,144.82 91.77,144.48 91.77,144.24 92.06,143.95 92.3,143.95 92.64,144.28 92.88,144.28 93.17,143.99 93.17,143.75 92.83,143.41 92.83,143.17 107.67,128.34 107.67,111.76 108.97,110.45
